# Altium PCB TrilliumV4.PcbDoc (part 1 of 3) (continued)
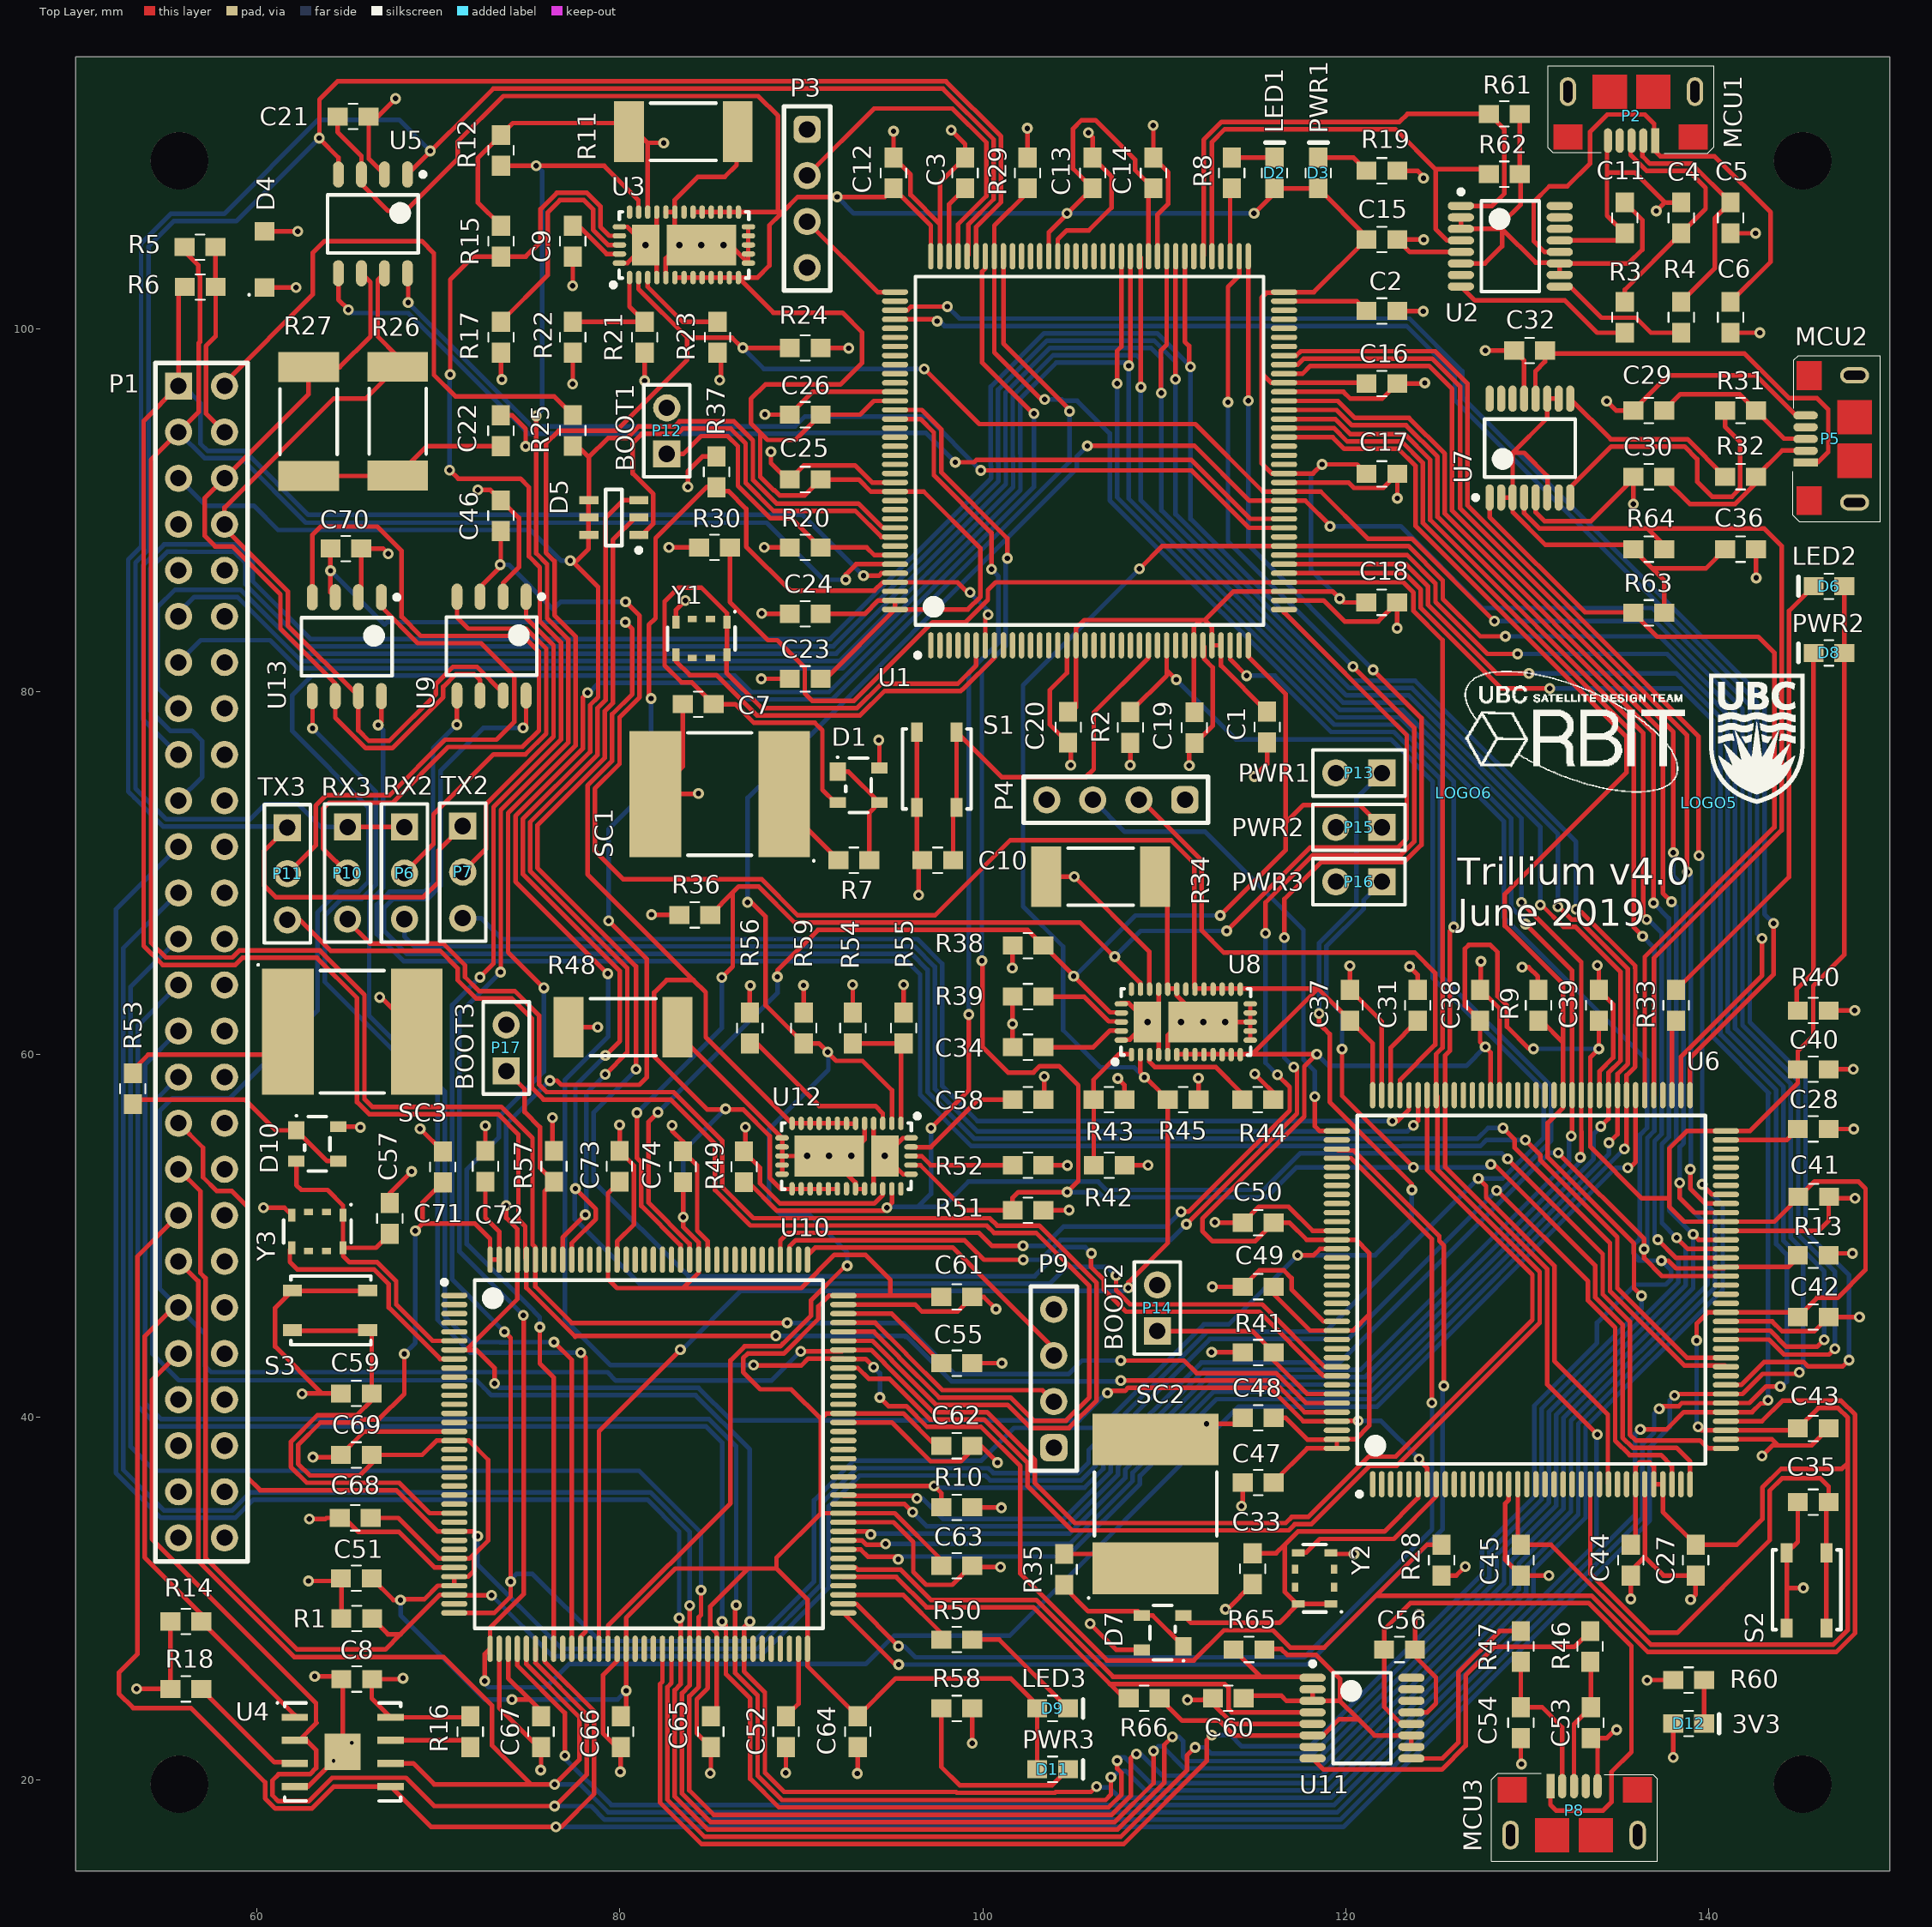
[diagram p0: Top Layer view]
## Design rules (kind name [scope] priority, off if disabled: settings)
BoardOutlineClearance [All] p1: gap=0.38 ignorepadtopadclearanceinfootprint=FALSE except(0: Arc-SplitContinuation Track-SplitContinuation SMDPad-SplitContinuation THPad-SplitContinuation Via-SplitContinuation Fill-SplitContinuation Poly-SplitContinuation Region-SplitContinuation Text-SplitContinuation)
Clearance [All] p1: gap=0.15 ignorepadtopadclearanceinfootprint=FALSE except(0: Arc-Hole Track-Hole SMDPad-Hole THPad-Hole Via-Hole Fill-Hole Poly-Hole Region-Hole Text-Hole; 0.18: Via-Fill Via-Poly Via-Region)
HoleSize [All] p1: absolutevalues=TRUE maxlimit=3.175 minlimit=0.15 maxpercent=80.000 minpercent=20.000
MinimumAnnularRing [All] p1: minimumring=0.025
MinimumSolderMaskSliver [All] p1: minsoldermaskwidth=0.1
PlaneClearance [All] p1: clearance=0.508
PlaneConnect [All] p1: planeconnectstyle=Relief reliefexpansion=0.508 reliefentries=4 reliefconductorwidth=0.254 reliefairgap=0.254
PolygonConnect [All] p1: connectstyle=Relief reliefconductorwidth=0.254 reliefentries=4 polygonreliefangle="90 Angle" airgapwidth=0.254
RoutingVias [All] p1: holewidth=0.711 width=1.27 viastyle="Through Hole" minholewidth=0.711 minwidth=1.27 maxholewidth=0.711 maxwidth=1.27
SilkToSolderMaskClearance [IsPad] p1: minsilkscreentomaskgap=0.13 clearancetoexposedcopper=TRUE
SolderMaskExpansion [All] p1: expansion=0.102
Width [All] p1: maxlimit=0.254 minlimit=0.254 preferedwidth=0.254
25 further rules are at their usual default settings.

## Classes and differential pairs
component class Microcontroller3: C51 C52 C53 C54 C55 C56 C57 C58 C59 C60 C61 C62 C63 C64 C65 C66 C67 C68 C69 C70 C71 C72 C73 C74 D9 D10 D11 P8 P9 P10 P11 P16 P17 R46 R47 R48 R49 R50 R51 R52 R53 R54 R55 R56 R57 R58 R59 R60 R65 R66 S3 SC3 U10 U11 U12 U13 Y3
component class Microcontroller2: C27 C28 C29 C30 C31 C32 C33 C34 C35 C36 C37 C38 C39 C40 C41 C42 C43 C44 C45 C46 C47 C48 C49 C50 D6 D7 D8 P4 P5 P6 P7 P14 P15 R28 R29 R30 R31 R32 R33 R34 R35 R36 R37 R38 R39 R40 R41 R42 R43 R44 R45 R63 R64 S2 SC2 U6 U7 U8 U9 Y2
component class Microcontroller1: C1 C2 C3 C4 C5 C6 C7 C8 C9 C10 C11 C12 C13 C14 C15 C16 C17 C18 C19 C20 C21 C22 C23 C24 C25 C26 D1 D2 D3 D4 D5 D12 P1 P2 P3 P12 P13 PWR12 R1 R2 R3 R4 R5 R6 R7 R8 R9 R10 R11 R12 R13 R14 R15 R16 R17 R18 R19 R20 R21 R22 R23 R24 R25 R26 R27 R60 R61 R62 S1 SC1 U1 U2 U3 U4 U5 Y1

## Components (designator, comment, footprint, x,y, rotation, side; value= is the part's Value field where it differs from the comment)
C1 "0603 Capacitor Template" C0603-IPC 115.68,78.06 r270 top value=10nF
C2 "0603 Capacitor Template" C0603-IPC 122.01,101 r180 top value=2.2uF
C3 "0603 Capacitor Template" C0603-IPC 99.03,108.61 r270 top value=2.2uF
C4 "0603 Capacitor Template" C0603-IPC 138.51,106.13 r270 top value=47pF
C5 "0603 Capacitor Template" C0603-IPC 141.23,106.13 r90 top value=47pF
C6 "0603 Capacitor Template" C0603-IPC 141.23,100.65 r90 top value=10nF
C7 "0603 Capacitor Template" C0603-IPC 84.31,79.32 r0 top value=100nF
C8 "0603 Capacitor Template" C0603-IPC 65.49,25.57 r0 top value=100nF
C9 "0603 Capacitor Template" C0603-IPC 77.4,104.85 r90 top value=10nF
C10 "0603 Capacitor Template" C0603-IPC 97.52,70.72 r180 top value=100nF
C11 "0603 Capacitor Template" C0603-IPC 135.4,106.13 r90 top value=100nF
C12 "0603 Capacitor Template" C0603-IPC 95.08,108.61 r270 top value=100nF
C13 "0603 Capacitor Template" C0603-IPC 106.06,108.61 r270 top value=100nF
C14 "0603 Capacitor Template" C0603-IPC 109.41,108.61 r270 top value=100nF
C15 "0603 Capacitor Template" C0603-IPC 122.01,104.94 r180 top value=100nF
C16 "0603 Capacitor Template" C0603-IPC 122.01,97 r180 top value=100nF
C17 "0603 Capacitor Template" C0603-IPC 122.01,92.02 r180 top value=100nF
C18 "0603 Capacitor Template" C0603-IPC 122,84.93 r180 top value=100nF
C19 "0603 Capacitor Template" C0603-IPC 111.67,78.03 r90 top value=100nF
C20 "0603 Capacitor Template" C0603-IPC 104.71,78.05 r90 top value=100nF
C21 "0603 Capacitor Template" C0603-IPC 65.28,111.72 r0 top value=100nF
C22 "0603 Capacitor Template" C0603-IPC 73.43,94.4 r90 top value=4.7nF
C23 "0603 Capacitor Template" C0603-IPC 90.21,80.72 r0 top value=100nF
C24 "0603 Capacitor Template" C0603-IPC 90.21,84.3 r0 top value=100nF
C25 "0603 Capacitor Template" C0603-IPC 90.21,91.71 r0 top value=100nF
C26 "0603 Capacitor Template" C0603-IPC 90.21,95.28 r0 top value=100nF
C27 "0603 Capacitor Template" C0603-IPC 139.31,32.13 r270 top value=10nF
C28 "0603 Capacitor Template" C0603-IPC 145.79,55.9 r180 top value=2.2uF
C29 "0603 Capacitor Template" C0603-IPC 136.72,95.51 r0 top value=47pF
C30 "0603 Capacitor Template" C0603-IPC 136.72,91.86 r0 top value=47pF
C31 "0603 Capacitor Template" C0603-IPC 123.98,62.72 r270 top value=2.2uF
C32 "0603 Capacitor Template" C0603-IPC 130.15,98.82 r180 top value=10nF
C33 "0603 Capacitor Template" C0603-IPC 114.88,31.66 r90 top value=100nF
C34 "0603 Capacitor Template" C0603-IPC 102.5,60.41 r0 top value=10nF
C35 "0603 Capacitor Template" C0603-IPC 145.79,35.33 r180 top value=100nF
C36 "0603 Capacitor Template" C0603-IPC 141.78,87.86 r180 top value=100nF
C37 "0603 Capacitor Template" C0603-IPC 120.25,62.72 r270 top value=100nF
C38 "0603 Capacitor Template" C0603-IPC 127.42,62.72 r270 top value=100nF
C39 "0603 Capacitor Template" C0603-IPC 133.97,62.72 r270 top value=100nF
C40 "0603 Capacitor Template" C0603-IPC 145.79,59.19 r180 top value=100nF
C41 "0603 Capacitor Template" C0603-IPC 145.81,52.17 r180 top value=100nF
C42 "0603 Capacitor Template" C0603-IPC 145.79,45.53 r180 top value=100nF
C43 "0603 Capacitor Template" C0603-IPC 145.79,39.39 r180 top value=100nF
C44 "0603 Capacitor Template" C0603-IPC 135.73,32.13 r90 top value=100nF
C45 "0603 Capacitor Template" C0603-IPC 129.67,32.13 r90 top value=100nF
C46 "0603 Capacitor Template" C0603-IPC 73.43,89.71 r90 top value=100nF
C47 "0603 Capacitor Template" C0603-IPC 115.19,36.41 r0 top value=100nF
C48 "0603 Capacitor Template" C0603-IPC 115.19,39.98 r0 top value=100nF
C49 "0603 Capacitor Template" C0603-IPC 115.19,47.2 r0 top value=100nF
C50 "0603 Capacitor Template" C0603-IPC 115.19,50.73 r0 top value=100nF
C51 "0603 Capacitor Template" C0603-IPC 65.46,31.13 r180 top value=10nF
C52 "0603 Capacitor Template" C0603-IPC 89.15,22.67 r90 top value=2.2uF
C53 "0603 Capacitor Template" C0603-IPC 133.53,23.17 r90 top value=47pF
C54 "0603 Capacitor Template" C0603-IPC 129.67,23.17 r90 top value=47pF
C55 "0603 Capacitor Template" C0603-IPC 98.57,42.99 r180 top value=2.2uF
C56 "0603 Capacitor Template" C0603-IPC 122.98,27.2 r180 top value=10nF
C57 "0603 Capacitor Template" C0603-IPC 67.31,50.97 r270 top value=100nF
C58 "0603 Capacitor Template" C0603-IPC 102.5,57.52 r180 top value=10nF
C59 "0603 Capacitor Template" C0603-IPC 65.46,41.32 r180 top value=100nF
C60 "0603 Capacitor Template" C0603-IPC 113.54,24.52 r0 top value=100nF
C61 "0603 Capacitor Template" C0603-IPC 98.57,46.64 r180 top value=100nF
C62 "0603 Capacitor Template" C0603-IPC 98.57,38.43 r180 top value=100nF
C63 "0603 Capacitor Template" C0603-IPC 98.57,31.82 r180 top value=100nF
C64 "0603 Capacitor Template" C0603-IPC 93.11,22.67 r90 top value=100nF
C65 "0603 Capacitor Template" C0603-IPC 85.01,22.67 r90 top value=100nF
C66 "0603 Capacitor Template" C0603-IPC 80.04,22.67 r90 top value=100nF
C67 "0603 Capacitor Template" C0603-IPC 75.65,22.67 r90 top value=100nF
C68 "0603 Capacitor Template" C0603-IPC 65.4,34.46 r0 top value=100nF
C69 "0603 Capacitor Template" C0603-IPC 65.46,37.93 r0 top value=100nF
C70 "0603 Capacitor Template" C0603-IPC 64.89,87.9 r0 top value=100nF
C71 "0603 Capacitor Template" C0603-IPC 70.23,53.81 r270 top value=100nF
C72 "0603 Capacitor Template" C0603-IPC 72.58,53.84 r270 top value=100nF
C73 "0603 Capacitor Template" C0603-IPC 79.97,53.84 r270 top value=100nF
C74 "0603 Capacitor Template" C0603-IPC 83.48,53.82 r270 top value=100nF
D1 "BAT74" SOT190P230X110-4N 93.15,74.85 r0 top
D2 "LED1" LED0603-IPC 116.09,108.61 r270 top
D3 "PWR1" LED0603-IPC 118.5,108.61 r270 top
D4 "PTVS3V3S1UR" SOD123W 60.4,103.84 r90 top
D5 "MMBD4448HTM" SOT95P285X140-6N 79.66,89.61 r180 top
D6 "LED2" LED0603-IPC 146.66,85.82 r0 top
D7 "BAT74" SOT190P230X110-4N 109.92,28.13 r180 top
D8 "PWR2" LED0603-IPC 146.66,82.14 r0 top
D9 "LED3" LED0603-IPC 103.85,23.96 r180 top
D10 "BAT74" SOT190P230X110-4N 63.31,55.08 r0 top
D11 "PWR3" LED0603-IPC 103.85,20.6 r180 top
D12 "3V3" LED0603-IPC 138.92,23.12 r180 top
LOGO1 "" CSA 132.4,18.06 r180 bottom
LOGO2 "" PILLONHOLDINGS 93.35,31.23 r180 bottom
LOGO3 "" RSL 127.29,34 r180 bottom
LOGO4 "" TRIUMF 130.22,41.005 r180 bottom
LOGO5 "" UBC 140.03,73.88 r0 top
LOGO6 "" "UBC ORBIT" 126.52,74.42 r0 top
P1 "26X2 Header" "26X2 Header" 55.6,96.86 r270 top
P2 "MCU1" "Micro USB B" 137.07,110.39 r180 top
P3 "4x1 Header" "4X1 HEADER" 90.32,111.01 r270 top
P4 "4x1 Header" "4X1 HEADER" 111.15,74.05 r180 top
P5 "MCU2" "Micro USB B" 145.37,92.64 r90 top
P6 "RX2" HDR1X3 68.12,72.55 r270 top
P7 "TX2" HDR1X3 71.33,72.6 r270 top
P8 "MCU3" "Micro USB B" 131.3,19.67 r0 top
P9 "4x1 Header" "4X1 HEADER" 103.92,38.33 r90 top
P10 "RX3" HDR1X3 64.98,72.55 r270 top
P11 "TX3" HDR1X3 61.66,72.51 r270 top
P12 "BOOT1" HDR1X2 82.58,93.12 r90 top
P13 "PWR1" HDR1X2 122.01,75.53 r180 top
P14 "BOOT2" HDR1X2 109.63,44.76 r90 top
P15 "PWR2" HDR1X2 122.01,72.53 r180 top
P16 "PWR3" HDR1X2 122.01,69.53 r180 top
P17 "BOOT3" HDR1X2 73.73,59.1 r90 top
R1 "0603 Template" R0603-IPC 65.49,28.91 r0 top value=10k
R2 "0603 Template" R0603-IPC 108.14,78.04 r90 top value=10k
R3 "0603 Template" R0603-IPC 135.4,100.65 r270 top value=27
R4 "0603 Template" R0603-IPC 138.51,100.65 r90 top value=27
R5 "0603 Template" R0603-IPC 56.85,104.52 r0 top value=10k
R6 "0603 Template" R0603-IPC 56.86,102.32 r0 top value=10k
R7 "2512 Template" R0603-IPC 92.9,70.72 r0 top value=1.37k
R8 "0603 Template" R0603-IPC 113.73,108.61 r270 top value=27
R9 "0603 Template" R0603-IPC 130.64,62.72 r270 top value=10k
R10 "0603 Template" R0603-IPC 98.57,35.04 r180 top value=10k
R11 "2512 Template" R2512-IPC 83.49,110.88 r0 top value=0.03
R12 "0603 Template" R0603-IPC 73.44,109.85 r90 top value=10k
R13 "0603 Template" R0603-IPC 145.79,48.94 r180 top value=10k
R14 "0603 Template" R0603-IPC 56.06,28.75 r180 top value=10k
R15 "0603 Template" R0603-IPC 73.44,104.85 r90 top value=10k
R16 "0603 Template" R0603-IPC 71.75,22.67 r90 top value=10k
R17 "0603 Template" R0603-IPC 73.44,99.55 r90 top value=3.32k
R18 "0603 Template" R0603-IPC 56.06,25.03 r180 top value=10k
R19 "0603 Template" R0603-IPC 122.01,108.73 r0 top value=51
R20 "0603 Template" R0603-IPC 90.21,87.96 r180 top value=10k
R21 "0603 Template" R0603-IPC 81.36,99.55 r90 top value=10k
R22 "0603 Template" R0603-IPC 77.4,99.55 r90 top value=6.34k
R23 "0603 Template" R0603-IPC 85.38,99.55 r90 top value=51
R24 "0603 Template" R0603-IPC 90.21,98.96 r180 top value=1.37k
R25 "0603 Template" R0603-IPC 77.4,94.41 r90 top value=2k
R26 "2512 Template" R2512-IPC 67.74,94.92 r90 top value=60.4
R27 "2512 Template" R2512-IPC 62.83,94.9 r270 top value=60.4
R28 "0603 Template" R0603-IPC 125.3,32.13 r270 top value=10k
R29 "0603 Template" R0603-IPC 102.47,108.61 r90 top value=10k
R30 "0603 Template" R0603-IPC 85.21,87.96 r180 top value=10k
R31 "0603 Template" R0603-IPC 141.78,95.51 r180 top value=27
R32 "0603 Template" R0603-IPC 141.78,91.86 r0 top value=27
R33 "0603 Template" R0603-IPC 138.23,62.72 r90 top value=27
R34 "2512 Template" R2512-IPC 106.5,69.81 r0 top value=0.03
R35 "2512 Template" R0603-IPC 104.49,31.62 r270 top value=1.37k
R36 "0603 Template" R0603-IPC 84.13,67.7 r180 top value=10k
R37 "0603 Template" R0603-IPC 85.32,92.13 r270 top value=10k
R38 "0603 Template" R0603-IPC 102.5,66.01 r180 top value=10k
R39 "0603 Template" R0603-IPC 102.5,63.2 r0 top value=3.32k
R40 "0603 Template" R0603-IPC 145.79,62.43 r0 top value=51
R41 "0603 Template" R0603-IPC 115.19,43.58 r180 top value=10k
R42 "0603 Template" R0603-IPC 106.97,53.9 r180 top value=10k
R43 "0603 Template" R0603-IPC 106.96,57.52 r180 top value=6.34k
R44 "0603 Template" R0603-IPC 115.16,57.52 r180 top value=51
R45 "0603 Template" R0603-IPC 111.05,57.52 r180 top value=1.37k
R46 "0603 Template" R0603-IPC 133.49,27.37 r90 top value=27
R47 "0603 Template" R0603-IPC 129.67,27.37 r270 top value=27
R48 "2512 Template" R2512-IPC 80.17,61.51 r0 top value=0.03
R49 "0603 Template" R0603-IPC 86.84,53.82 r90 top value=10k
R50 "0603 Template" R0603-IPC 98.57,27.75 r180 top value=27
R51 "0603 Template" R0603-IPC 102.5,51.42 r0 top value=10k
R52 "0603 Template" R0603-IPC 102.5,53.9 r180 top value=3.32k
R53 "2512 Template" R0603-IPC 53.14,58.12 r270 top value=1.37k
R54 "0603 Template" R0603-IPC 92.84,61.47 r270 top value=10k
R55 "0603 Template" R0603-IPC 95.64,61.47 r270 top value=6.34k
R56 "0603 Template" R0603-IPC 87.16,61.47 r270 top value=51
R57 "0603 Template" R0603-IPC 76.36,53.84 r270 top value=10k
R58 "0603 Template" R0603-IPC 98.57,23.96 r0 top value=51
R59 "0603 Template" R0603-IPC 90.13,61.47 r270 top value=1.37k
R60 "0603 Template" R0603-IPC 138.92,25.52 r180 top value=51
R61 "0603 Template" R0603-IPC 128.76,111.86 r0 top value=10k
R62 "0603 Template" R0603-IPC 128.76,108.54 r0 top value=10k
R63 "0603 Template" R0603-IPC 136.72,84.36 r180 top value=10k
R64 "0603 Template" R0603-IPC 136.72,87.86 r180 top value=10k
R65 "0603 Template" R0603-IPC 114.68,27.2 r180 top value=10k
R66 "0603 Template" R0603-IPC 108.9,24.52 r180 top value=10k
S1 "PTS810" PTS810 97.55,75.72 r270 top
S2 "PTS810" PTS810 145.51,30.47 r270 top
S3 "PTS810" PTS810 64.03,45.82 r180 top
SC1 "Cap Pol1" C7360-IPC 85.5,74.37 r180 top value=1500uF
SC2 "Cap Pol1" C7360-IPC 109.53,35.23 r90 top value=1500uF
SC3 "Cap Pol1" C7360-IPC 65.24,61.26 r0 top value=1500uF
U1 "STM32H743ZIT" LQFP50P2200X2200X160-144N 105.89,93.29 r90 top
U2 "FT230XS-R" SOP64P600X175-16N 129.09,104.57 r0 top
U3 "TPS24751" VQFN50P700X350X100-36N 83.53,104.64 r0 top
U4 "MR25H40" VDFN-8 64.71,21.56 r0 top
U5 "TCAN334" SOIC127P600X175-8N 66.38,105.8 r270 top
U6 "STM32H743ZIT" LQFP50P2200X2200X160-144N 130.25,47.04 r90 top
U7 "FT230XS-R" SOP64P600X175-16N 130.17,93.44 r90 top
U8 "TPS24751" VQFN50P700X350X100-36N 111.2,61.8 r0 top
U9 "TCAN334" SOIC127P600X175-8N 72.92,82.52 r270 top
U10 "STM32H743ZIT" LQFP50P2200X2200X160-144N 81.59,37.97 r0 top
U11 "FT230XS-R" SOP64P600X175-16N 120.91,23.42 r0 top
U12 "TPS24751" VQFN50P700X350X100-36N 92.487,54.41 r180 top
U13 "TCAN334" SOIC127P600X175-8N 64.94,82.49 r270 top
Y1 "KT3225T" "KT3225T XTAL" 84.49,82.94 r180 top
Y2 "KT3225T" "KT3225T XTAL" 118.3,31.13 r90 top
Y3 "KT3225T" "KT3225T XTAL" 63.32,50.25 r180 top

## Footprints (in the part's own frame and the unit in brackets; to place one, negate y for a bottom-side part, rotate by r counter-clockwise, add the part's x,y. Pads: shape width x height; smd on the part's side, far side on the other; paste and mask are expansions set on the pad)
"4X1 HEADER" [mm]
  rrect50% 1.5x1.5 hole 0.9: 1(0,0)
  round 1.5 hole 0.9: 2(2.54,0) 3(5.08,0) 4(7.62,0)
  silkscreen extent -1.27,-1.27 8.89,1.27
"26X2 Header" [mm]
  rect 1.5x1.5 hole 0.9: 1(0,0.06)
  round 1.5 hole 0.9: 2(2.54,0.06) 3(5.08,0.06) 4(7.62,0.06) 5(10.16,0.06) 6(12.7,0.06) 7(15.24,0.06) 8(17.78,0.06) 9(20.32,0.06) 10(22.86,0.06) 11(25.4,0.06) 12(27.94,0.06) 13(30.48,0.06) 14(33.02,0.06) 15(35.56,0.06) 16(38.1,0.06) 17(40.64,0.06) 18(43.18,0.06) 19(45.72,0.06) 20(48.26,0.06) 21(50.8,0.06) 22(53.34,0.06) 23(55.88,0.06) 24(58.42,0.06) 25(60.96,0.06) 26(63.5,0.06) 27(63.5,2.6) 28(60.96,2.6) 29(58.42,2.6) 30(55.88,2.6) 31(53.34,2.6) 32(50.8,2.6) 33(48.26,2.6) 34(45.72,2.6) 35(43.18,2.6) 36(40.64,2.6) 37(38.1,2.6) 38(35.56,2.6) 39(33.02,2.6) 40(30.48,2.6) 41(27.94,2.6) 42(25.4,2.6) 43(22.86,2.6) 44(20.32,2.6) 45(17.78,2.6) 46(15.24,2.6) 47(12.7,2.6) 48(10.16,2.6) 49(7.62,2.6) 50(5.08,2.6) 51(2.54,2.6) 52(0,2.6)
  silkscreen extent -1.27,-1.21 64.81,3.87
C0603-IPC [mm]
  rect 1.1x1 smd mask+0.15: 1(-0.85,0) 2(0.85,0)
  silkscreen extent -0.25,-0.7 0.25,0.7, body extent -0.8,-0.4 0.8,0.4, height 0.3
C7360-IPC [mm] "Chip Capacitor, 2-Leads, Body 9.12x6.80mm, IPC Medium Density"
  rect 2.85x6.95 smd: 1(-3.55,0) 2(3.55,0)
  silkscreen extent -5.24,-3.37 1.75,3.74, body extent -4.56,-3.4 4.56,3.4, height 2
CSA [mm]
  silkscreen extent -0.01,-0.08 12.06,11.99
HDR1X2 [mm] "Connector; Header; 2 Position"
  rect 1.5x1.5 hole 0.9: 1(0,0)
  round 1.5 hole 0.9: 2(2.54,0)
  silkscreen extent -1.27,-1.27 3.81,1.27
HDR1X3 [mm] "Connector; Header; 3 Position"
  rect 1.5x1.5 hole 0.9: 1(0,0)
  round 1.5 hole 0.9: 2(2.54,0) 3(5.08,0)
  silkscreen extent -1.27,-1.27 6.35,1.27
"KT3225T XTAL" [mm]
  rect 0.4x0.7 smd: 1(-1.41,-0.9) 4(1.41,-0.9) 5(1.41,0.9) 8(-1.41,0.9)
  rect 0.5x0.35 smd: 2(-0.5,-1.08) 3(0.5,-1.08) 6(0.5,1.08) 7(-0.5,1.08)
  silkscreen extent -1.9,-1.53 1.86,0.63, body extent -1.7,-1.35 1.7,1.35, height 1
LED0603-IPC [mm]
  rect 1.1x1 smd mask+0.15: A(0.85,0) K(-0.85,0)
  silkscreen extent -1.68,-0.7 0.25,0.7, body extent -0.8,-0.4 0.8,0.4, height 1.1
LQFP50P2200X2200X160-144N [mm] "LQFP, 144-Leads, Body 20.00x20.00mm, Pitch 0.50mm, IPC Medium Density"
  oval 1.45x0.3 smd: 1(-10.725,8.75) 2(-10.725,8.25) 3(-10.725,7.75) 4(-10.725,7.25) 5(-10.725,6.75) 6(-10.725,6.25) 7(-10.725,5.75) 8(-10.725,5.25) 9(-10.725,4.75) 10(-10.725,4.25) 11(-10.725,3.75) 12(-10.725,3.25) 13(-10.725,2.75) 14(-10.725,2.25) 15(-10.725,1.75) 16(-10.725,1.25) 17(-10.725,0.75) 18(-10.725,0.25) 19(-10.725,-0.25) 20(-10.725,-0.75) 21(-10.725,-1.25) 22(-10.725,-1.75) 23(-10.725,-2.25) 24(-10.725,-2.75) 25(-10.725,-3.25) 26(-10.725,-3.75) 27(-10.725,-4.25) 28(-10.725,-4.75) 29(-10.725,-5.25) 30(-10.725,-5.75) 31(-10.725,-6.25) 32(-10.725,-6.75) 33(-10.725,-7.25) 34(-10.725,-7.75) 35(-10.725,-8.25) 36(-10.725,-8.75) 73(10.725,-8.75) 74(10.725,-8.25) 75(10.725,-7.75) 76(10.725,-7.25) 77(10.725,-6.75) 78(10.725,-6.25) 79(10.725,-5.75) 80(10.725,-5.25) 81(10.725,-4.75) 82(10.725,-4.25) 83(10.725,-3.75) 84(10.725,-3.25) 85(10.725,-2.75) 86(10.725,-2.25) 87(10.725,-1.75) 88(10.725,-1.25) 89(10.725,-0.75) 90(10.725,-0.25) 91(10.725,0.25) 92(10.725,0.75) 93(10.725,1.25) 94(10.725,1.75) 95(10.725,2.25) 96(10.725,2.75) 97(10.725,3.25) 98(10.725,3.75) 99(10.725,4.25) 100(10.725,4.75) 101(10.725,5.25) 102(10.725,5.75) 103(10.725,6.25) 104(10.725,6.75) 105(10.725,7.25) 106(10.725,7.75) 107(10.725,8.25) 108(10.725,8.75)
  oval 0.3x1.45 smd: 37(-8.75,-10.725) 38(-8.25,-10.725) 39(-7.75,-10.725) 40(-7.25,-10.725) 41(-6.75,-10.725) 42(-6.25,-10.725) 43(-5.75,-10.725) 44(-5.25,-10.725) 45(-4.75,-10.725) 46(-4.25,-10.725) 47(-3.75,-10.725) 48(-3.25,-10.725) 49(-2.75,-10.725) 50(-2.25,-10.725) 51(-1.75,-10.725) 52(-1.25,-10.725) 53(-0.75,-10.725) 54(-0.25,-10.725) 55(0.25,-10.725) 56(0.75,-10.725) 57(1.25,-10.725) 58(1.75,-10.725) 59(2.25,-10.725) 60(2.75,-10.725) 61(3.25,-10.725) 62(3.75,-10.725) 63(4.25,-10.725) 64(4.75,-10.725) 65(5.25,-10.725) 66(5.75,-10.725) 67(6.25,-10.725) 68(6.75,-10.725) 69(7.25,-10.725) 70(7.75,-10.725) 71(8.25,-10.725) 72(8.75,-10.725) 109(8.75,10.725) 110(8.25,10.725) 111(7.75,10.725) 112(7.25,10.725) 113(6.75,10.725) 114(6.25,10.725) 115(5.75,10.725) 116(5.25,10.725) 117(4.75,10.725) 118(4.25,10.725) 119(3.75,10.725) 120(3.25,10.725) 121(2.75,10.725) 122(2.25,10.725) 123(1.75,10.725) 124(1.25,10.725) 125(0.75,10.725) 126(0.25,10.725) 127(-0.25,10.725) 128(-0.75,10.725) 129(-1.25,10.725) 130(-1.75,10.725) 131(-2.25,10.725) 132(-2.75,10.725) 133(-3.25,10.725) 134(-3.75,10.725) 135(-4.25,10.725) 136(-4.75,10.725) 137(-5.25,10.725) 138(-5.75,10.725) 139(-6.25,10.725) 140(-6.75,10.725) 141(-7.25,10.725) 142(-7.75,10.725) 143(-8.25,10.725) 144(-8.75,10.725)
  silkscreen extent -11.39,-9.6 9.6,9.6, body extent -10,-10 10,10, height 1.6
"Micro USB B" [mm]
  oval 0.9x1.6 hole 0.5 slot 1.2 at 90 deg: 0(-2.2,-2.7) 0(4.81,-2.7)
  rect 0.45x1.35 smd: 1(0,0)
  oval 0.45x1.35 smd: 2(0.65,0) 3(1.3,0) 4(1.95,0) 5(2.6,0)
  Top Layer region: 1.55,-3.65 3.45,-3.65 3.45,-1.75 1.55,-1.75
  Top Layer region: -0.85,-3.65 1.05,-3.65 1.05,-1.75 -0.85,-1.75
  Top Layer region: 4,-0.9 5.6,-0.9 5.6,0.5 4,0.5
  Top Layer region: -2.9,-0.9 -1.3,-0.9 -1.3,0.5 -2.9,0.5
  silkscreen extent -3.25,-4.13 5.9,0.7
PILLONHOLDINGS [mm]
  silkscreen extent -24.26,-12.22 25.83,10.59
PTS810 [mm]
  rect 1.05x0.65 smd mask+0.15: 1(-2.06,1.01) 1(2.09,1.01) 2(-2.06,-1.18) 2(2.09,-1.18)
  silkscreen extent -2.23,-1.97 2.17,1.81, body extent -2.13,-1.86 2.07,1.69, height 2.5
R0603-IPC [mm]
  rect 1.1x1 smd mask+0.15: 1(-0.85,0) 2(0.85,0)
  silkscreen extent -0.25,-0.7 0.25,0.7, body extent -0.77,-0.43 0.78,0.43, height 0.44
R2512-IPC [mm] "Chip Resistor, 2-Leads, Body 6.35x3.10mm, IPC Low Density"
  rect 1.65x3.35 smd: 1(-3,0) 2(3,0)
  silkscreen extent -1.8,-1.58 1.8,1.58, body extent -3.27,-1.63 3.27,1.63, height 0.7
RSL [mm]
  silkscreen extent -6.48,-1.45 7.95,4.01
SOD123W [mm] "SOD, 2-Leads, Body 1.70x3.50mm, IPC Medium Density"
  rect 1x1.1 smd: 1(-1.55,0) 2(1.55,0)
  silkscreen extent -2,0.8 -1.9,0.9, body extent -1.4,-0.95 1.4,0.95, height 1.1
SOIC127P600X175-8N [mm] "SOIC, 8-Leads, Body 4.90x3.90mm, Pitch 1.27mm, IPC Medium Density"
  oval 1.45x0.6 smd: 1(-2.725,1.905) 2(-2.725,0.635) 3(-2.725,-0.635) 4(-2.725,-1.905) 5(2.725,-1.905) 6(2.725,-0.635) 7(2.725,0.635) 8(2.725,1.905)
  silkscreen extent -2.85,-2.5 1.6,2.88, body extent -2,-2.5 2,2.5, height 1.75
SOP64P600X175-16N [mm] "SOP, 16-Leads, Body 4.90x3.91mm, Pitch 0.64mm, IPC Medium Density"
  oval 1.45x0.45 smd: 1(-2.725,2.222) 2(-2.725,1.587) 3(-2.725,0.953) 4(-2.725,0.318) 5(-2.725,-0.318) 6(-2.725,-0.953) 7(-2.725,-1.588) 8(-2.725,-2.223) 9(2.725,-2.223) 10(2.725,-1.588) 11(2.725,-0.953) 12(2.725,-0.318) 13(2.725,0.318) 14(2.725,0.953) 15(2.725,1.587) 16(2.725,2.222)
  silkscreen extent -2.85,-2.5 1.6,3.12, body extent -2,-2.5 2,2.5, height 1.75
SOT95P285X140-6N [mm] "SOT23, 6-Leads, Body 3.00x2.85mm, Pitch 0.95mm, IPC Medium Density"
  rect 1.05x0.45 smd: 1(-1.375,0.95) 2(-1.375,0) 3(-1.375,-0.95) 4(1.375,-0.95) 5(1.375,0) 6(1.375,0.95)
  silkscreen extent -1.5,-1.55 0.45,1.92, body extent -0.85,-1.55 0.85,1.55, height 1.4
SOT190P230X110-4N [mm] "SOT143, 4-Leads, Body 2.90x2.30mm, Pitch 1.90mm, IPC Medium Density"
  rect 0.9x1 smd: 1(-1.15,0.75)
  rect 0.9x0.6 smd: 2(-1.15,-0.95) 3(1.15,-0.95) 4(1.15,0.95)
  silkscreen extent -1.2,-1.5 0.7,1.6, body extent -0.7,-1.5 0.7,1.5, height 1.1
TRIUMF [mm]
  silkscreen extent -11.73,-1.12 11.48,3.09
UBC [mm]
  silkscreen extent 0.03,-0.02 5.28,7.11
"UBC ORBIT" [mm]
  silkscreen extent 0.05,0.05 12.18,6.74
VDFN-8 [mm] "VDFN, 8-Leads, Body 5.00x6.00mm, Pitch 1.27mm, Thermal Pad 2.00x2.00mm, IPC Medium Density"
  rect 1.45x0.4 smd: 1(-2.645,1.905) 2(-2.645,0.635) 3(-2.645,-0.635) 4(-2.645,-1.905) 5(2.645,-1.905) 6(2.645,-0.635) 7(2.645,0.635) 8(2.645,1.905)
  rect 2x2 smd: 4(0,0)
  silkscreen extent -3.65,-2.7 3.2,2.75, body extent -3.05,-2.55 3.05,2.55, height 0.9
VQFN50P700X350X100-36N [mm] "VQFN, 36-Leads, Body 7.00x3.50mm, Pitch 0.50mm, IPC Medium Density"
  oval 0.3x0.75 smd: 1(-3,-1.8) 2(-2.5,-1.8) 3(-2,-1.8) 4(-1.5,-1.8) 5(-1,-1.8) 6(-0.5,-1.8) 7(0,-1.8) 8(0.5,-1.8) 9(1,-1.8) 10(1.5,-1.8) 11(2,-1.8) 12(2.5,-1.8) 13(3,-1.8) 19(3,1.81) 20(2.5,1.81) 21(2,1.81) 22(1.5,1.81) 23(1,1.81) 24(0.5,1.81) 25(0,1.81) 26(-0.5,1.81) 27(-1,1.81) 28(-1.5,1.81) 29(-2,1.81) 30(-2.5,1.81) 31(-3,1.81)
  oval 0.75x0.3 smd: 14(3.55,-1) 15(3.55,-0.5) 16(3.55,0) 17(3.55,0.5) 18(3.55,1) 32(-3.56,1) 33(-3.56,0.5) 34(-3.56,0) 35(-3.56,-0.5) 36(-3.56,-1)
  round 0.656 hole 0.356 mask+0: 18(-0.263,0) 18(0.957,0) 18(2.177,0) 36(-2.118,0)
  rect 3.836x2.25 smd paste+0 mask+0: 18(0.957,0)
  rect 1.514x2.25 smd paste+0 mask+0: 36(-2.118,0)
  silkscreen extent -4.02,-2.32 3.57,1.83, body extent -3.63,-1.83 3.52,1.83, height 1

## Part data
C1 C2 C3 C4 C5 C6 C7 C8 C9 C10 C11 C12 C13 C14 C15 C16 C17 C18 C19 C20 C21 C22 C23 C24 C25 C26 C27 C28 C29 C30 C31 C32 C33 C34 C35 C36 C37 C38 C39 C40 C41 C42 C43 C44 C45 C46 C47 C48 C49 C50 C51 C52 C53 C54 C55 C56 C57 C58 C59 C60 C61 C62 C63 C64 C65 C66 C67 C68 C69 C70 C71 C72 C73 C74: "Chip Capacitor, 0603, ??nF, 10V, X7R", Max. Voltage=10V, EIA Code=X7R
D1 D7 D10: "Barrier Schotkky Double Diode", Supplier Part Number 1=1727-2906-1-ND, Supplier 1=Digi-Key
D2 D6 D9: library part "LED 0603 SMD", "Blue DEBUG_LED", Supplier Part Number 1=732-4966-1-ND, Supplier 1=Digi-Key
D3 D8 D11 D12: library part "LED 0603 SMD", "Red PWR_LED", Supplier Part Number 1=732-4966-1-ND, Supplier 1=Digi-Key
D4: "3V3 TVS Diode, Vbr 5V2", Supplier 1=Digikey, Supplier 2=Digi-Key, Supplier Part Number 2=1727-5228-1-ND
D5: "Tri-Diode Fast Switching Array", Supplier Part Number 1=MMBD4448HTM-FDICT-ND, Supplier 1=Digi-Key
P1: "26X2 Through-Hole Header"
P2 P5 P8: library part "USB Micro-B", "CONN RCPT USB TYPE B 3A", Manufacturer="Wurth Electronics Inc.", Manufacturer Part Number=629105150521, Supplier Part Number 1=609-4616-1-ND, Supplier 1=Digi-Key
P6 P7 P10 P11: library part "Header 3", "Header, 3-Pin", LatestRevisionDate=17-Jul-2002, LatestRevisionNote="Re-released for DXP Platform.", Publisher="Altium Limited"
P12 P13 P14 P15 P16 P17: library part "Header 2", "Header, 2-Pin", LatestRevisionDate=17-Jul-2002, LatestRevisionNote="Re-released for DXP Platform.", Publisher="Altium Limited"
R1 R2 R3 R4 R5 R6 R8 R9 R10 R12 R13 R14 R15 R16 R17 R18 R19 R20 R21 R22 R23 R24 R25 R28 R29 R30 R31 R32 R33 R36 R37 R38 R39 R40 R41 R42 R43 R44 R45 R46 R47 R49 R50 R51 R52 R54 R55 R56 R57 R58 R59 R60 R61 R62 R63 R64 R65 R66: "Chip Resistor, 0603, ??k ohms, 0.1W"
R7 R11 R26 R27 R34 R35 R48 R53: "Chip Resistor, 2515, ??k ohms"
S1 S2 S3: "SWITCH TACTILE 0.05A 16V", Supplier Part Number 1=CKN10502CT-ND, Supplier 1=Digi-Key
SC1 SC2 SC3: "Polarized Capacitor (Radial)", LatestRevisionDate=17-Jul-2002, LatestRevisionNote="Re-released for DXP Platform.", PackageDescription="Polarized Capacitor (Radial); 2 Leads", PackageReference=RB7.6-15, Published=8-Jun-2000, Publisher="Altium Limited"
U1 U6 U10: "IC MCU STM32H7", Supplier Part Number 1=497-17721-ND, Supplier 1=Digi-Key
U2 U7 U11: "FTDI USB to UART IC", Supplier Part Number 1=768-1135-1-ND, Supplier 1=Digi-Key
U3 U8 U12: "eFuse Circuit Protector with Current Monitor", Supplier Part Number 1=296-37084-1-ND, Supplier 1=Digi-Key
U4: "4Mb Magnetic RAM", Supplier Part Number 1=819-1040-ND, Supplier 1=Digi-Key
U5 U9 U13: "3V3 CAN Transceiver", Supplier Part Number 1=296-44503-1-ND, Supplier 1=Digi-Key
Y1 Y2 Y3: "Temperate Compensated Crystal Oscillator", Supplier Part Number 1=1253-1030-1-ND, Supplier 1=Digi-Key

## Free pads (board coordinates)
  round 3.175 hole 3.175 paste+0 mask+0: ""(55.71,19.78) ""(55.71,109.28) ""(145.21,19.78) ""(145.21,109.28)

## Via types
v1: diameter 0.6, hole 0.3, Top Layer to Bottom Layer, tented both sides, 338 vias
v2: diameter 0.5, hole 0.2, Top Layer to Bottom Layer, tented both sides, 2 vias

## Nets (pads, with @x,y where several pads share a name; then routed paths per layer and width w, separated by ;. In a path a pad name is that pad's centre, name@x,y a point inside that pad or via, vN(x,y) a via of type N, cw(c..) or ccw(c..) an arc to the next point about the centre after c; other vN are vias at no path point)
3V3OUT_MCU_1: C11.2 R61.2 R62.2 U2.2 U2.3 U2.6 U2.10 U2.11 | length 25.8
  Top Layer w0.254: U2.6@126.365,103.617 127.687,103.617 128.638,104.568 128.638,105.522 ; U2.2@126.365,106.157 U2.3@126.365,105.522 128.638,105.522 ; R61.2@129.61,111.86 R62.2@129.61,108.54 129.65,108.5 129.65,106.85 128.638,105.838 128.638,105.522 ; U2.10@131.815,102.982 U2.11@131.815,103.617 ; C11.2@135.4,106.98 136.37,106.01 136.37,104.38 135.607,103.617 U2.11@131.815,103.617 ; 128.638,105.522 130.49,103.67 131.762,103.67 U2.11@131.815,103.617
3V3OUT_MCU_2: C36.2 R63.1 R64.2 U7.2 U7.3 U7.6 U7.10 U7.11 | length 28.1
  Top Layer w0.254: U7.2@128.582,90.715 U7.3@129.217,90.715 ; U7.6@131.122,90.715 131.14,90.733 131.14,91.89 129.852,93.177 129.217,93.177 ; U7.10@131.757,96.165 U7.11@131.122,96.165 131.122,95.082 129.217,93.177 ; R63.1@137.57,84.36 137.57,86.15 136.92,86.8 ; C36.2@140.93,87.86 139.87,86.8 136.92,86.8 ; U7.3@129.217,90.715 129.217,93.177 ; U7.3@129.217,90.715 129.217,89.91 131.027,88.1 135.63,88.1 R64.2@135.87,87.86 135.87,87.85 136.92,86.8
3V3OUT_MCU_3: C60.2 R65.1 R66.1 U11.2 U11.3 U11.6 U11.10 U11.11 | length 29.6
  Top Layer w0.254: R66.1@109.75,24.52 110.99,23.28 113.046,23.28 113.858,22.467 U11.6@118.185,22.467 118.76,22.467 119.657,23.365 120.705,23.365 ; C60.2@114.39,24.65 116.473,24.65 116.75,24.372 U11.3@118.185,24.372 ; R65.1@115.59,27.23 116.46,27.23 116.784,26.906 118.374,26.906 119.698,25.582 119.698,24.372 ; U11.2@118.185,25.007 U11.3@118.185,24.372 ; U11.10@123.635,21.832 U11.11@123.635,22.467 121.603,22.467 120.705,23.365 ; U11.3@118.185,24.372 119.698,24.372 ; 119.698,24.372 120.705,23.365
ADCS_GPIO_1: P1.9 U1.80 U6.80 U10.80 | length 197.7
  Top Layer w0.254: U10.80@92.315,32.72 93.273,32.72 93.673,32.32 95.2,32.32 v1(95.34,32.18) ; U1.80@111.14,104.015 111.14,99.31 111.38,99.07 v1@111.38,98.05 ; v1(132.71,68.02) 132.883,67.847 133.026,67.847 135.968,64.905 135.968,64.762 135.98,64.75 135.98,61.65 135.972,61.642 135.972,59.332 135.5,58.86 U6.80@135.5,57.765 135.5,54.93 v1(135.37,54.8)
  Bottom Layer w0.254: P1.9@55.66,76.54 53.692,78.508 53.692,86.953 54.863,88.125 54.87,88.131 56.253,88.131 56.26,88.124 57.6,88.124 57.607,88.131 58.9,88.131 59.754,87.277 59.754,86.091 62.932,82.913 91.59,82.913 100.467,91.79 100.467,92.449 100.444,92.472 100.444,96.829 103.384,99.769 109.611,99.769 v1(111.46,97.92) 111.46,89.534 120.379,80.615 123.835,80.615 132.71,71.74 v1(132.71,68.02) ; v1(95.34,32.18) 95.487,32.327 104.666,32.327 108.666,36.327 108.666,36.782 112.887,41.003 121.573,41.003 v1(135.37,54.8)
ADCS_GPIO_2: P1.10 U1.81 U6.81 U10.81 | length 200.4
  Top Layer w0.254: U10.81@92.315,33.22 93.344,33.22 93.591,32.973 94.593,32.973 v1(94.64,33.02) ; v1(110.63,97.23) 110.63,104.005 U1.81@110.64,104.015 ; v1(131.72,68.16) 131.754,68.16 132.471,67.443 132.858,67.443 135.564,64.737 135.564,64.35 135.568,64.346 135.568,59.499 135,58.931 U6.81@135,57.765 135,55.61 v1(134.53,55.14)
  Bottom Layer w0.254: P1.10@55.66,74 56.97,75.31 56.97,77.28 56.4,77.85 55.21,77.85 54.096,78.964 54.096,86.786 55.037,87.727 56.085,87.727 56.092,87.72 57.768,87.72 57.775,87.727 58.733,87.727 59.35,87.11 59.35,85.924 62.765,82.509 91.758,82.509 100.871,91.622 100.871,92.616 100.848,92.639 100.848,96.662 103.551,99.365 109.444,99.365 110.63,98.179 v1(110.63,97.23) 110.63,89.793 120.212,80.211 123.668,80.211 131.72,72.159 v1(131.72,68.16) ; v1(94.64,33.02) 104.787,33.02 108.262,36.495 108.262,36.949 112.72,41.407 121.406,41.407 134.53,54.531 v1(134.53,55.14)
BOO0_2: P14.1 R41.1 U6.138 | length 11.6
  Top Layer w0.254: P14.1@109.63,44.76 114.86,44.76 R41.1@116.04,43.58 116.04,43.136 117.886,41.29 U6.138@119.525,41.29
BOOT0_1: P12.1 R20.1 U1.138 | length 17
  Top Layer w0.254: P12.1@82.58,93.12 83.49,93.12 84.472,94.102 85.944,94.102 86.5,93.546 86.5,91.367 88.295,89.572 89.448,89.572 R20.1@91.06,87.96 93.6,87.96 94.02,87.54 U1.138@95.165,87.54
BOOT0_3: P17.1 R57.2 U10.138 | length 11.7
  Top Layer w0.254: P17.1@73.73,59.1 74.745,58.085 74.745,56.839 75.583,56.001 75.583,53.767 R57.2@76.36,52.99 75.84,52.47 U10.138@75.84,48.695
CAN2_BUS: D5.4 D5.5 D5.6 P1.3 R25.1 U1.135 U6.135 U10.135 | length 145.5
  Top Layer w0.254: v1(77.26,87.23) 77.356,87.23 78.797,85.789 78.797,79.711 78.358,79.272 78.358,76.699 74.64,72.981 74.64,69.96 79.996,64.604 79.996,60.746 v1(79.2,59.95) ; U10.135@77.34,48.695 77.34,49.604 78.67,50.934 78.67,51.48 v1(77.54,52.61) ; R25.1@77.4,93.56 77.66,93.56 78.285,92.935 ; 77.61,87.23 78.27,87.89 78.27,90.545 D5.4@78.285,90.56 78.285,92.935 ; U1.135@95.165,89.04 94.486,89.04 93.146,90.38 88.63,90.38 87.329,91.681 87.329,93.86 86.279,94.91 83.282,94.91 83.005,94.633 81.032,94.633 80.385,93.986 79.336,93.986 78.285,92.935 ; v1(107.35,47.82) 107.35,47.004 108.124,46.23 115.406,46.23 118.846,42.79 U6.135@119.525,42.79
  Bottom Layer w0.254: P1.3@55.66,91.78 57.173,90.267 59.803,90.267 61.148,88.922 75.068,88.922 76.76,87.23 v1(77.26,87.23) ; v1(79.2,59.95) 77.54,58.29 v1(77.54,52.61) 77.513,52.583 77.513,50.931 77.851,50.593 77.857,50.593 81.069,47.381 92.122,47.381 92.124,47.379 92.936,47.379 92.938,47.381 103.711,47.381 104.623,48.293 106.877,48.293 v1(107.35,47.82)
CAN_3V3: P1.52 R25.2 | length 31.9
  Top Layer w0.254: P1.52@58.2,96.86 58.2,97.04 63.06,101.9 63.06,104.2 63.71,104.85 69.07,104.85 69.74,104.18 69.74,97.47 70.92,96.29 76.37,96.29 R25.2@77.4,95.26
CAN_H: P1.49 R26.2 U5.7 U9.7 U13.7 | length 44.8
  Top Layer w0.254: U5.7@67.015,103.075 66.644,102.704 66.644,99.596 67.74,98.5 R26.2@67.74,97.92 65.99,96.17 64.208,96.17 58.2,90.162 P1.49@58.2,89.24 58.2,89.021 61.684,85.537 61.684,83.656 U13.7@65.575,79.765 65.575,77.876 66.147,77.304 67.283,77.304 69.85,79.871 69.85,80.442 70.792,81.384 72.117,81.384 73.555,79.946 U9.7@73.555,79.795
CAN_L: P1.50 R27.1 U5.6 U9.6 U13.6 | length 44.7
  Top Layer w0.254: U5.6@65.745,103.075 66.24,102.58 66.24,99.59 64.55,97.9 R27.1@62.83,97.9 62.83,96.41 P1.50@58.2,91.78 57.11,90.69 57.11,88.59 57.68,88.02 58.63,88.02 61.28,85.37 61.28,83.489 64.305,80.464 U13.6@64.305,79.765 64.305,78.575 65.98,76.9 67.45,76.9 70.254,79.704 70.254,80.275 70.959,80.98 71.95,80.98 72.285,80.645 U9.6@72.285,79.795
CAN_RX2: P6.2 U9.4 | length 23.4
  Top Layer w0.254: P6.2@68.12,70.01 69.72,71.61 69.72,73.25 73.026,76.556 74.787,76.556 75.934,77.703 75.934,82.387 74.833,83.488 71.632,83.488 71.015,84.105 U9.4@71.015,85.245
CAN_RX3: P10.2 U13.4 | length 43.2
  Top Layer w0.254: U13.4@63.035,85.215 63.035,88.645 63.5,89.11 66.62,89.11 67.96,87.77 67.96,84.141 69.017,83.084 74.666,83.084 75.53,82.22 75.53,77.87 74.62,76.96 70.531,76.96 67.461,73.89 63.961,73.89 63.626,73.554 63.626,71.364 P10.2@64.98,70.01
CAN_TX2: P7.2 U9.1 | length 17.9
  Top Layer w0.254: P7.2@71.33,70.06 72.62,71.35 72.62,73.817 76.338,77.535 76.338,82.555 74.825,84.068 U9.1@74.825,85.245
CAN_TX3: P11.2 U13.1 | length 29.2
  Top Layer w0.254: P11.2@61.66,69.97 63.222,71.532 63.222,73.722 63.794,74.294 67.294,74.294 70.364,77.364 73.194,77.364 74.18,78.35 74.18,80.84 72.34,82.68 68.85,82.68 66.845,84.685 U13.1@66.845,85.215
COMMS_IRQ_1: P1.6 U1.85 U6.85 U10.85 | length 178.6
  Top Layer w0.254: U10.85@92.315,35.22 95.69,35.22 v1(96.13,34.78) ; U1.85@108.64,104.015 108.713,103.942 108.713,96.807 v1(108.72,96.8) ; v1(129.71,68.39) 133,65.1 U6.85@133,57.765 133,55.766 133.017,55.749 133.017,54.407 v1(132.95,54.34)
  Bottom Layer w0.254: P1.6@55.66,84.16 55.559,84.261 56.528,85.23 58.901,85.23 62.43,81.701 92.092,81.701 101.679,91.288 101.679,92.951 101.656,92.974 101.656,96.327 103.886,98.557 108.483,98.557 108.72,98.32 v1(108.72,96.8) 108.72,90.56 119.877,79.403 123.333,79.403 129.71,73.026 v1(129.71,68.39) ; v1(96.13,34.78) 96.909,34.001 104.626,34.001 107.454,36.829 107.454,37.284 112.385,42.215 121.071,42.215 132.95,54.094 v1(132.95,54.34)
COMMS_IRQ_2: P1.7 U1.86 U6.86 U10.86 | length 174.8
  Top Layer w0.254: U10.86@92.315,35.72 92.355,35.68 96.37,35.68 v1(96.37,35.54) ; v1(108.05,97.98) 108.14,98.07 U1.86@108.14,104.015 ; v1(129.93,67.2) 132.5,64.63 U6.86@132.5,57.765 132.5,55.57 v1(132.44,55.51)
  Bottom Layer w0.254: P1.7@55.66,81.62 56.89,82.85 60.71,82.85 62.263,81.297 92.26,81.297 102.083,91.12 102.083,93.118 102.06,93.141 102.06,96.16 104.053,98.153 107.877,98.153 v1(108.05,97.98) 108.05,90.659 119.71,78.999 123.166,78.999 129.133,73.032 129.133,68.151 129.93,67.354 v1(129.93,67.2) ; v1(96.37,35.54) 96.675,35.54 97.81,34.405 104.458,34.405 107.05,36.997 107.05,37.451 112.218,42.619 120.815,42.619 132.333,54.137 132.333,55.403 v1(132.44,55.51)
EPS_I2C_SCL: P1.2 R5.1 U1.139 U6.139 U10.139 | length 168.1
  Top Layer w0.254: R5.1@56,104.52 56,104.27 56.756,103.514 56.756,103.016 56.837,102.935 56.837,99.298 56.769,99.23 56.769,95.429 P1.2@55.66,94.32 54.14,92.8 54.14,66.17 54.957,65.353 58.625,65.353 59.012,65.74 63.459,65.74 65.91,63.289 65.91,57.55 66.339,57.121 73.45,57.121 75.179,55.392 75.179,49.535 75.34,49.374 U10.139@75.34,48.695 75.34,47.211 77.341,45.21 v1(89.22,45.21) ; v1(92.45,86.18) 92.45,86.47 93.02,87.04 U1.139@95.165,87.04 ; v1(107.61,43.13) 111.1,43.13 111.786,42.444 116.16,42.444 117.814,40.79 U6.139@119.525,40.79
  Bottom Layer w0.254: P1.2@55.66,94.32 57.091,92.889 59.115,92.889 62.678,89.326 88.084,89.326 91.23,86.18 v1(92.45,86.18) ; v1(89.22,45.21) 95.62,45.21 95.626,45.216 98.458,42.383 104.725,42.383 105.472,43.13 v1(107.61,43.13)
EPS_I2C_SDA: P1.1 R6.1 U1.140 U6.140 U10.140 | length 167.4
  Top Layer w0.254: R6.1@56.01,102.32 55.66,101.97 P1.1@55.66,96.86 53.736,94.936 53.736,66.003 54.79,64.949 58.793,64.949 59.18,65.336 63.291,65.336 65.506,63.121 65.506,57.383 66.172,56.717 73.283,56.717 74.4,55.6 74.4,50.901 74.775,50.526 74.775,48.76 U10.140@74.84,48.695 74.84,47.14 77.53,44.45 77.58,44.5 v1(88.6,44.5) ; v1(93.43,86.4) 94.275,86.4 94.415,86.54 U1.140@95.165,86.54 ; v1(107.61,42.04) 115.993,42.04 117.743,40.29 U6.140@119.525,40.29
  Bottom Layer w0.254: P1.1@55.66,96.86 55.93,96.86 56.87,95.92 56.87,93.681 57.258,93.293 59.282,93.293 62.815,89.76 90.07,89.76 v1(93.43,86.4) ; v1(88.6,44.5) 95.67,44.5 95.72,44.45 95.77,44.5 98.291,41.979 107.549,41.979 v1(107.61,42.04)